# Altium PCB Bottom Board_PCB.PcbDoc (part 1 of 3) (continued)
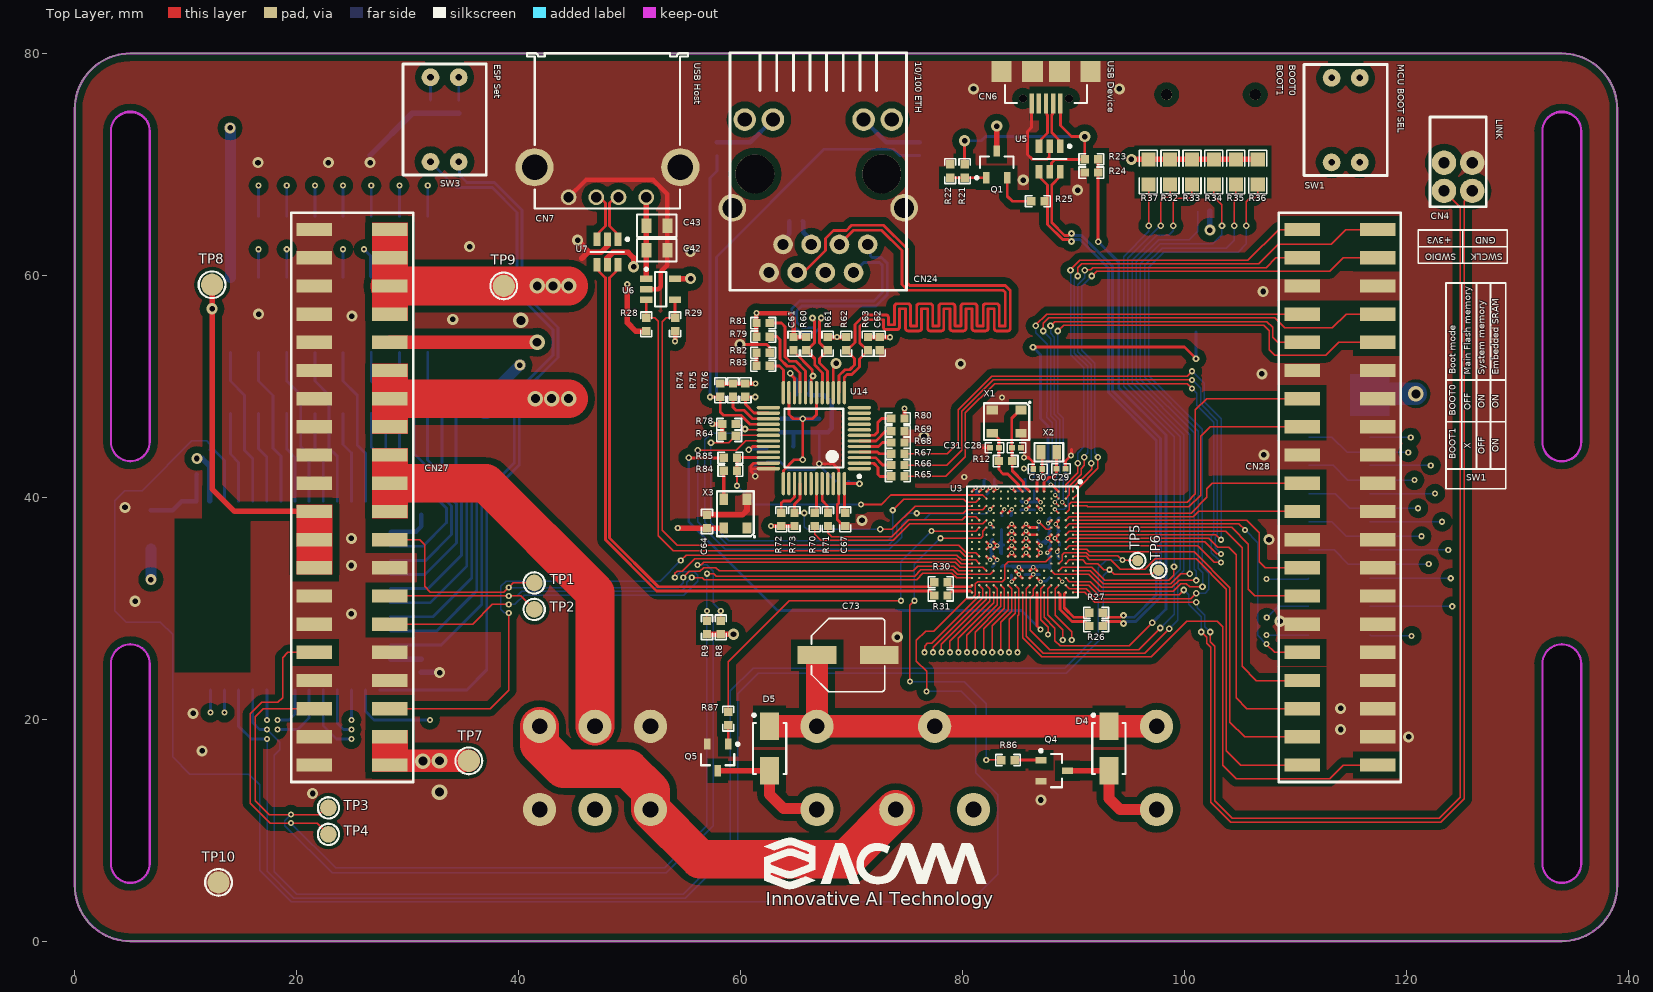
[diagram p0: Top Layer view]
## Components (designator, comment, footprint, x,y, rotation, side; value= is the part's Value field where it differs from the comment) (continued)
TP10 "Test Point" PIN_2mm 12.954,5.297 r90 top
U3 "STM32F417IGH6" STM-UFBGA176+25 85.406,35.981 r270 top
U5 "USBLC6-2SC6Y" SOT23-6L 87.847,70.489 r270 top
U6 "STMPS2141STR" SOT-23-5pin 52.8,58.75 r0 top
U7 "USBLC6-2SC6Y" SOT23-6L 48.006,62.103 r270 top
U13 "ESP32-WROOM-32U" ESP32S_W 19.71,31.146 r270 bottom
U14 "DP83848CVV" TQFP48_M 66.604,45.333 r180 top
X1 "25Mhz" OSC_3.2X2.5 83.978,46.825 r180 top
X2 "32.768Khz" XTAL_2.0x1.2 87.788,44.057 r180 top
X3 "50Mhz" OSC_3.2X2.5 59.53,38.524 r90 top

## Footprints (in the part's own frame and the unit in brackets; to place one, negate y for a bottom-side part, rotate by r counter-clockwise, add the part's x,y. Pads: shape width x height; smd on the part's side, far side on the other; paste and mask are expansions set on the pad)
0402_C [mm] "Manual Assembly"
  rect 0.75x0.75 smd mask+0.1: 1(-0.6,0) 2(0.6,0)
  silkscreen extent -1.12,-0.5 1.12,0.5, body extent -0.52,-0.27 0.53,0.28, height 0.55
0402_C_AUTO [mil] "Machine Assembly"
  rect 20x20 smd: 1(-16,0) 2(16,0)
  silkscreen extent -34,-18 34,18, body extent -20,-10 20,10, height 22
0402_R [mm] "Manual Assembly"
  rect 0.75x0.75 smd mask+0.1: 1(-0.6,0) 2(0.6,0)
  silkscreen extent -1.12,-0.5 1.12,0.5, body extent -0.53,-0.28 0.52,0.27, height 0.4
0402_R_AUTO [mil] "Machine Assembly"
  rect 20x20 smd: 1(-16,0) 2(16,0)
  silkscreen extent -34,-18 34,18, body extent -20,-10 20,10, height 16
0805_C_AUTO [mm] "Machine Assembly"
  rect 0.9x1.3 smd: 1(-0.95,0) 2(0.95,0)
  silkscreen extent -1.78,-1.02 1.78,1.02, body extent -1,-0.6 1,0.6, height 1.5
0805_R [mil] "Manual Assembly"
  rect 50x50 smd: 1(-45,0) 2(45,0)
  silkscreen extent -77,-32 77,32, body extent -41,-27 41,27, height 24
CR2032_BATT_HOLDER [mm] "CR2032 Battery Holder SMD"
  rect 4.5x2.4 smd: 1(-8.35,0)
  rect 3.1x3.4 smd: 2(12.85,0)
  silkscreen extent -11.15,-7.85 12.95,7.85
DIP-SW-2-PIANO [mm] "Piano Style Dip Switch"
  round 1.6 hole 0.6: 1(-1.27,-3.81) 2(1.27,-3.81) 3(1.27,3.81) 4(-1.27,3.81)
  silkscreen extent -3.75,-5 3.75,5, body extent -3.58,-6.01 3.63,4.79, height 7.95
ESP32S_W [mm] "ESP32S Module wide for hand soldering"
  rect 2x0.9 smd: 1(-8.5,8.755) 2(-8.5,7.485) 3(-8.5,6.215) 4(-8.5,4.945) 5(-8.5,3.675) 6(-8.5,2.405) 7(-8.5,1.135) 8(-8.5,-0.135) 9(-8.5,-1.405) 10(-8.5,-2.675) 11(-8.5,-3.945) 12(-8.5,-5.215) 13(-8.5,-6.485) 14(-8.5,-7.755) 25(8.5,-7.755) 26(8.5,-6.485) 27(8.5,-5.215) 28(8.5,-3.945) 29(8.5,-2.675) 30(8.5,-1.405) 31(8.5,-0.135) 32(8.5,1.135) 33(8.5,2.405) 34(8.5,3.675) 35(8.5,4.945) 36(8.5,6.215) 37(8.5,7.485) 38(8.5,8.755)
  rect 0.9x2 smd: 15(-5.71,-8.755) 16(-4.44,-8.755) 17(-3.17,-8.755) 18(-1.9,-8.755) 19(-0.63,-8.755) 20(0.64,-8.755) 21(1.91,-8.755) 22(3.18,-8.755) 23(4.45,-8.755) 24(5.72,-8.755)
  rect 5x5 smd: 39(-1,1.255)
  silkscreen extent -9,-9.25 9,9.95, body extent -9.01,-9.27 9.06,9.97, height 3.4
HEADER_2X2_RIGHT [mm]
  round 2.2 hole 1.02: 1(-1.27,-1.27) 2(1.27,-1.27) 3(1.27,1.27) 4(-1.27,1.27)
  silkscreen extent -2.54,-2.69 2.54,5.39, body extent -2.54,-1.58 2.54,11.18, height 5.08
HEADER_FEMALE_SMD_2x20 [mm] "Pitch 2.54mm"
  rect 1.2x3.2 smd: 1(-24.13,-3.4) 2(-21.59,-3.4) 3(-19.05,-3.4) 4(-16.51,-3.4) 5(-13.97,-3.4) 6(-11.43,-3.4) 7(-8.89,-3.4) 8(-6.35,-3.4) 9(-3.81,-3.4) 10(-1.27,-3.4) 11(1.27,-3.4) 12(3.81,-3.4) 13(6.35,-3.4) 14(8.89,-3.4) 15(11.43,-3.4) 16(13.97,-3.4) 17(16.51,-3.4) 18(19.05,-3.4) 19(21.59,-3.4) 20(24.13,-3.4) 21(24.13,3.4) 22(21.59,3.4) 23(19.05,3.4) 24(16.51,3.4) 25(13.97,3.4) 26(11.43,3.4) 27(8.89,3.4) 28(6.35,3.4) 29(3.81,3.4) 30(1.27,3.4) 31(-1.27,3.4) 32(-3.81,3.4) 33(-6.35,3.4) 34(-8.89,3.4) 35(-11.43,3.4) 36(-13.97,3.4) 37(-16.51,3.4) 38(-19.05,3.4) 39(-21.59,3.4) 40(-24.13,3.4)
  silkscreen extent -25.65,-5.5 25.65,5.5, body extent -25.65,-3.94 25.65,3.94, height 9.81
HEADER_SMD_2x10 [mm] "Pitch 2.54mm"
  rect 1.2x3.5 smd: 1(-11.43,-2.75) 2(-8.89,-2.75) 3(-6.35,-2.75) 4(-3.81,-2.75) 5(-1.27,-2.75) 6(1.27,-2.75) 7(3.81,-2.75) 8(6.35,-2.75) 9(8.89,-2.75) 10(11.43,-2.75) 11(11.43,2.75) 12(8.89,2.75) 13(6.35,2.75) 14(3.81,2.75) 15(1.27,2.75) 16(-1.27,2.75) 17(-3.81,2.75) 18(-6.35,2.75) 19(-8.89,2.75) 20(-11.43,2.75)
  silkscreen extent -12.7,-5 12.7,5, body extent -12.7,-3.75 12.7,3.75, height 9.7
HR911105A [mm] "Single Port RJ45 Connector with Magnetics Module and LED"
  round 1.778 hole 1.016: 1(4.45,-4.355) 2(3.18,-6.895) 3(1.91,-4.355) 4(0.64,-6.895) 5(-0.63,-4.355) 6(-1.9,-6.895) 7(-3.17,-4.355) 8(-4.44,-6.895)
  round 2.032 hole 1.27: 9(6.625,6.895) 10(4.085,6.895) 11(-4.085,6.895) 12(-6.625,6.895)
  round 2.5 hole 1.8: 13(7.74,-1.055) 14(-7.74,-1.055)
  round 3.5 hole 3.5: ""(-5.71,1.995) ""(5.72,1.995)
  silkscreen extent -7.94,-8.48 7.94,12.92, body extent -7.94,-8.48 7.94,12.92, height 13.5
MICRO_SD_TFP-09-2-12B [mm] "Micro SD Connector - TFP-09-2-12B"
  rect 0.7x1.6 smd: 1(2.25,0) 2(1.15,0) 3(0.05,0) 4(-1.05,0) 5(-2.15,0) 6(-3.25,0) 7(-4.35,0) 8(-5.45,0) 9(-6.55,0)
  rect 1.6x1.4 smd: 10(6.85,-0.5)
  rect 1.2x1.4 smd: 11(-7.75,-0.5)
  rect 1.2x2.2 smd: 12(7.75,-10.1) 13(-7.75,-10.1)
  round 1 hole 1: ""(-4.93,-10.5) ""(3.05,-10.5)
  silkscreen extent -7.35,-14.2 7.35,0.31
OSC_3.2X2.5 [mm]
  rect 1x0.8 smd: 1(-1.3,-1.05) 2(1.3,-1.05) 3(1.3,1.05) 4(-1.3,1.05)
  silkscreen extent -2.11,-1.75 2.03,1.65, body extent -1.6,-1.25 1.6,1.25, height 0.55
PIN_1.5mm [mm] "single pin"
  round 1.5 smd: 1(0,0)
  silkscreen extent -0.95,-0.96 0.96,0.96
PIN_1mm [mm] "single pin"
  round 1 smd: 1(0,0)
  silkscreen extent -0.71,-0.71 0.71,0.71
PIN_2mm [mm] "single pin"
  round 2 smd: 1(0,0)
  silkscreen extent -1.2,-1.2 1.2,1.2
RELAY_DPDT [mm] "Omron DPDT G2R-2-DC12 Relay"
  round 3 hole 1.4: 1(-12.5,3.75) 2(2.5,3.75) 3(7.5,3.75) 4(12.5,3.75) 5(12.5,-3.75) 6(7.5,-3.75) 7(2.5,-3.75) 8(-12.5,-3.75)
  silkscreen extent -14.6,-6.45 14.6,6.45, body extent -14.76,-6.35 14.2,6.38, height 24.96
RELAY_SPDT [mm] "Omron SPDT G2R-1-DC12 Relay"
  round 3 hole 1.4: 1(-12.5,3.75) 2(4,-3.75) 3(11,-3.75) 4(7.5,3.75) 5(-12.5,-3.75)
  silkscreen extent -14.6,-6.45 13.1,6.45, body extent -14.7,-6.6 14.3,6.4, height 25.5
SMA [mm] "Molded Diode, 2-Leads, Body 4/30x2/61mm, IPC Medium Density"
  rect 2.5x1.7 smd: 1(-2,0) 2(2,0)
  silkscreen extent -2.3,-1.5 3.12,1.52, body extent -2.69,-1.42 2.59,1.5, height 2.41
SOT23 [mm] "SOT23, 3-Leads, Body 2/90x2/45mm, Pitch 0/95mm, IPC Medium Density"
  rect 1x0.6 smd: 1(-1.2,0.95) 2(-1.2,-0.95) 3(1.2,0)
  silkscreen extent -1.32,-1.5 0.7,1.92, body extent -1.2,-1.5 1.2,1.5, height 1.1
SOT23-6L [mm] "SOT23, 6-Leads, Body 3.0x3.0mm (max), Pitch 0.95mm"
  rect 1.2x0.6 smd: 1(-1.15,0.95) 2(-1.15,0) 3(-1.15,-0.95) 4(1.15,-0.95) 5(1.15,0) 6(1.15,0.95)
  silkscreen extent -1.27,-1.5 0,1.93, body extent -1.42,-1.5 1.42,1.5, height 1.2
SOT-23-5pin [mm] "SOT23, 5-Leads, Body 2/90x2/80mm, Pitch 0/95mm, IPC Medium Density"
  rect 1.1x0.6 smd: 1(-1.3,0.95) 2(-1.3,0) 3(-1.3,-0.95) 4(1.3,-0.95) 5(1.3,0.95)
  silkscreen extent -1.42,-1.55 0.5,1.92, body extent -1.39,-1.45 1.41,1.45, height 1.2
STM-UFBGA176+25 [mm] "BGA, 201-Balls, Body 10x10mm, Pitch 0.65mm"
  round 0.2 smd: A1(-4.55,4.55) A2(-3.9,4.55) A3(-3.25,4.55) A4(-2.6,4.55) A5(-1.95,4.55) A6(-1.3,4.55) A7(-0.65,4.55) A8(0,4.55) A9(0.65,4.55) A10(1.3,4.55) A11(1.95,4.55) A12(2.6,4.55) A13(3.25,4.55) A14(3.9,4.55) A15(4.55,4.55) B1(-4.55,3.9) B2(-3.9,3.9) B3(-3.25,3.9) B4(-2.6,3.9) B5(-1.95,3.9) B6(-1.3,3.9) B7(-0.65,3.9) B8(0,3.9) B9(0.65,3.9) B10(1.3,3.9) B11(1.95,3.9) B12(2.6,3.9) B13(3.25,3.9) B14(3.9,3.9) B15(4.55,3.9) C1(-4.55,3.25) C2(-3.9,3.25) C3(-3.25,3.25) C4(-2.6,3.25) C5(-1.95,3.25) C6(-1.3,3.25) C7(-0.65,3.25) C8(0,3.25) C9(0.65,3.25) C10(1.3,3.25) C11(1.95,3.25) C12(2.6,3.25) C13(3.25,3.25) C14(3.9,3.25) C15(4.55,3.25) D1(-4.55,2.6) D2(-3.9,2.6) D3(-3.25,2.6) D4(-2.6,2.6) D5(-1.95,2.6) D6(-1.3,2.6) D7(-0.65,2.6) D8(0,2.6) D9(0.65,2.6) D10(1.3,2.6) D11(1.95,2.6) D12(2.6,2.6) D13(3.25,2.6) D14(3.9,2.6) D15(4.55,2.6) E1(-4.55,1.95) E2(-3.9,1.95) E3(-3.25,1.95) E4(-2.6,1.95) E12(2.6,1.95) E13(3.25,1.95) E14(3.9,1.95) E15(4.55,1.95) F1(-4.55,1.3) F2(-3.9,1.3) F3(-3.25,1.3) F4(-2.6,1.3) F6(-1.3,1.3) F7(-0.65,1.3) F8(0,1.3) F9(0.65,1.3) F10(1.3,1.3) F12(2.6,1.3) F13(3.25,1.3) F14(3.9,1.3) F15(4.55,1.3) G1(-4.55,0.65) G2(-3.9,0.65) G3(-3.25,0.65) G4(-2.6,0.65) G6(-1.3,0.65) G7(-0.65,0.65) G8(0,0.65) G9(0.65,0.65) G10(1.3,0.65) G12(2.6,0.65) G13(3.25,0.65) G14(3.9,0.65) G15(4.55,0.65) H1(-4.55,0) H2(-3.9,0) H3(-3.25,0) H4(-2.6,0) H6(-1.3,0) H7(-0.65,0) H8(0,0) H9(0.65,0) H10(1.3,0) H12(2.6,0) H13(3.25,0) H14(3.9,0) H15(4.55,0) J1(-4.55,-0.65) J2(-3.9,-0.65) J3(-3.25,-0.65) J4(-2.6,-0.65) J6(-1.3,-0.65) J7(-0.65,-0.65) J8(0,-0.65) J9(0.65,-0.65) J10(1.3,-0.65) J12(2.6,-0.65) J13(3.25,-0.65) J14(3.9,-0.65) J15(4.55,-0.65) K1(-4.55,-1.3) K2(-3.9,-1.3) K3(-3.25,-1.3) K4(-2.6,-1.3) K6(-1.3,-1.3) K7(-0.65,-1.3) K8(0,-1.3) K9(0.65,-1.3) K10(1.3,-1.3) K12(2.6,-1.3) K13(3.25,-1.3) K14(3.9,-1.3) K15(4.55,-1.3) L1(-4.55,-1.95) L2(-3.9,-1.95) L3(-3.25,-1.95) L4(-2.6,-1.95) L12(2.6,-1.95) L13(3.25,-1.95) L14(3.9,-1.95) L15(4.55,-1.95) M1(-4.55,-2.6) M2(-3.9,-2.6) M3(-3.25,-2.6) M4(-2.6,-2.6) M5(-1.95,-2.6) M6(-1.3,-2.6) M7(-0.65,-2.6) M8(0,-2.6) M9(0.65,-2.6) M10(1.3,-2.6) M11(1.95,-2.6) M12(2.6,-2.6) M13(3.25,-2.6) M14(3.9,-2.6) M15(4.55,-2.6) N1(-4.55,-3.25) N2(-3.9,-3.25) N3(-3.25,-3.25) N4(-2.6,-3.25) N5(-1.95,-3.25) N6(-1.3,-3.25) N7(-0.65,-3.25) N8(0,-3.25) N9(0.65,-3.25) N10(1.3,-3.25) N11(1.95,-3.25) N12(2.6,-3.25) N13(3.25,-3.25) N14(3.9,-3.25) N15(4.55,-3.25) P1(-4.55,-3.9) P2(-3.9,-3.9) P3(-3.25,-3.9) P4(-2.6,-3.9) P5(-1.95,-3.9) P6(-1.3,-3.9) P7(-0.65,-3.9) P8(0,-3.9) P9(0.65,-3.9) P10(1.3,-3.9) P11(1.95,-3.9) P12(2.6,-3.9) P13(3.25,-3.9) P14(3.9,-3.9) P15(4.55,-3.9) R1(-4.55,-4.55) R2(-3.9,-4.55) R3(-3.25,-4.55) R4(-2.6,-4.55) R5(-1.95,-4.55) R6(-1.3,-4.55) R7(-0.65,-4.55) R8(0,-4.55) R9(0.65,-4.55) R10(1.3,-4.55) R11(1.95,-4.55) R12(2.6,-4.55) R13(3.25,-4.55) R14(3.9,-4.55) R15(4.55,-4.55)
  silkscreen extent -5.55,-5 5,5.33, body extent -5,-5 5,5, height 0.6
TANT_B [mm]
  rect 2.1x3 smd mask+0.15: 1(-1.75,0) 2(1.75,0)
  Top Layer pour cut-out: -1.143,1.905 1.143,1.905 1.143,-1.905 -1.143,-1.905
  silkscreen extent -3.55,-1.86 3.05,1.78, body extent -1.85,-1.5 1.85,1.5, height 2.1
TQFP48_M [mm] "48-Pin Thin Quad Flat Pack 0.5 mm Pitch, IPC Low Density"
  oval 2.1x0.3 smd mask+0.07: 1(-4.1,2.75) 2(-4.1,2.25) 3(-4.1,1.75) 4(-4.1,1.25) 5(-4.1,0.75) 6(-4.1,0.25) 7(-4.1,-0.25) 8(-4.1,-0.75) 9(-4.1,-1.25) 10(-4.1,-1.75) 11(-4.1,-2.25) 12(-4.1,-2.75) 25(4.1,-2.75) 26(4.1,-2.25) 27(4.1,-1.75) 28(4.1,-1.25) 29(4.1,-0.75) 30(4.1,-0.25) 31(4.1,0.25) 32(4.1,0.75) 33(4.1,1.25) 34(4.1,1.75) 35(4.1,2.25) 36(4.1,2.75)
  oval 0.3x2.1 smd mask+0.07: 13(-2.75,-4.1) 14(-2.25,-4.1) 15(-1.75,-4.1) 16(-1.25,-4.1) 17(-0.75,-4.1) 18(-0.25,-4.1) 19(0.25,-4.1) 20(0.75,-4.1) 21(1.25,-4.1) 22(1.75,-4.1) 23(2.25,-4.1) 24(2.75,-4.1) 37(2.75,4.1) 38(2.25,4.1) 39(1.75,4.1) 40(1.25,4.1) 41(0.75,4.1) 42(0.25,4.1) 43(-0.25,4.1) 44(-0.75,4.1) 45(-1.25,4.1) 46(-1.75,4.1) 47(-2.25,4.1) 48(-2.75,4.1)
  silkscreen extent -4.23,-2.65 2.65,3.57, body extent -3.5,-3.5 3.5,3.5, height 1.6
USB_Micro_B [mm] "Micro USB 2.0 SMT Type B Horizontal 5 Contacts"
  rect 0.4x1.8 smd: 1(-1.3,2.9) 2(-0.65,2.9) 3(0,2.9) 4(0.65,2.9) 5(1.3,2.9)
  round 0.7 hole 0.7 unplated: MH1(-2.075,2.45) MH2(2.075,2.45)
  rect 1.8x1.9 smd: Shell(-4,0) Shell(4,0)
  rect 1.9x1.9 smd: Shell(-1.2,0) Shell(1.2,0)
  silkscreen extent -3.7,1.25 3.7,2.85, body extent -4,-2.73 4,3.17, height 2.69
USB_Type_A [mm] "USB 2.0 Type A Horizontal"
  round 1.42 hole 0.92: 1(-3.5,5.99) 2(-1,5.99) 3(1,5.99) 4(3.5,5.99)
  round 3.45 hole 2.3: S1(-6.57,3.28) S2(6.57,3.28)
  silkscreen extent -7.25,-7 7.25,7, body extent -8,-7 8,7, height 7.63
WCAP-ASLI_6.3x5.5 [mm] "Aluminium Electrolytic V-Chip SMT Capacitors, ��6.3x5.5mm"
  rect 3.5x1.6 smd: 1(2.8,0) 2(-2.8,0)
  silkscreen extent -3.3,-3.3 3.3,3.3, body extent -3.65,-3.3 3.65,3.3, height 5.5
XTAL_2.0x1.2 [mm] "Crsytal 2.0 x 1.2 mm"
  rect 0.8x1.3 smd: 1(-0.7,0) 2(0.7,0)
  silkscreen extent -1.3,-0.84 1.3,0.84

## Part data
C9 C10 C11 C12 C13 C14 C15 C16 C17 C18 C19 C20 C21 C24 C25 C26 C27 C28 C29 C30 C31 C42 C43 C60 C61 C62 C63 C64 C65 C66 C67 C68 C69 C70 C71 C72: library part "Cap SMD", "Non-Pol SMD Capacitor", RATED_VOLTAGE=16V
C59: library part "Cap Tant", "Tantalum Polarized Capacitor", RATED_VOLTAGE=6.3V
C73: library part "Cap Aluminium Electrolytic", "Aluminium Electrolytic Capacitor", RATED_VOLTAGE=16V
CN2: "CR2032 Battery Holder SMD"
CN3 CN22 CN23: library part "Pin header Male 2x10 smd", "SMD Male Pin Header 2.54mm Pitch, 2x10"
CN4: library part "Pin header Male 2x2", "Male Pin Header 2.54mm Pitch, 2x2"
CN6: library part "USB Micro B #1", "Micro USB 2.0 Type B Receptacle"
CN7: library part "USB Type A", "USB 2.0 Type A, Receptacle, Horizontal, THT"
CN8: library part "MicroSD_Connector #2", "Javanelec 1.10mm Pitch microSD Memory Card Connector. Push-Push", Manufacturer Part Num=TFP-09-2-12B
CN24: library part "RJ45 Connector #1", "RJ45 Socket with Magnet and LED", Manufacturer Part Num=HR911105A
CN27 CN28: library part "Pin header Female 2x20 smd", "SMD Female Pin Header 2.54mm Pitch, 2x20", System=Connector
D4 D5: library part Diode, "Diode", Manufacturer Part Num=1N4007
K2: library part Relay-SPDT, "Omron Single-Pole Dual-Throw Relay", Manufacturer Part Num=G2R-1-DC12
K3: library part Relay-DPDT, "Omron Dual-Pole Dual-Throw Relay", Manufacturer Part Num=G2R-2-DC12
Q1 Q4 Q5: library part "Transistor NPN", "NPN General Purpose Transistor"
R7 R8 R9 R10 R11 R12 R21 R22 R23 R24 R26 R27 R28 R29 R30 R31 R32 R33 R34 R35 R36 R37 R78 R82 R84 R85 R86 R87: library part "Res SMD", "SMD Resistor", Tolerance=5%
R25 R54 R55 R56 R57 R58 R59 R60 R61 R62 R63 R64 R65 R66 R67 R68 R69 R70 R71 R72 R73 R74 R75 R76 R77 R79 R80 R81: library part "Res SMD", "SMD Resistor", Tolerance=1%
R83: library part "Res SMD", "SMD Resistor", Manufacturer Part Num=RC0402FR-074K87L, Tolerance=1%
SW1 SW3: library part "DIP SW-2", "DIP Switch, 2 Position, SPST", Manufacturer Part Num=BPA02B
TP1 TP2 TP3 TP4 TP5 TP6 TP7 TP8 TP9 TP10: "Test Point Footprint"
U3: "ARM Cortex-M4 32-bit MCU+FPU, 210 DMIPS, 1024 kB Flash, 192 kB Internal RAM, 140 I/Os, 176-pin BGA, -40 to 85 degC, Tray", I/Os (High Current)=140, Manufacturer=STMicroelectronics, Operating Frequency(F) (Processor speed) (MHz)=168, Supplier Part Number 1=497-11913-ND, Supply Voltage(Vcc) max (V)=3.6, Supply Voltage(Vcc) min (V)=1.8, ComponentLink1Description="Manufacturer URL", ComponentLink1URL=http://www.st.com/web/en/home.html, ComponentLink2Description=Datasheet, ComponentLink2URL=http://www.st.com/st-web-ui/static/active/en/resource/technical/document/datasheet/DM00035129.pdf, ComponentLink3Description="Package Specification", ComponentLink3URL=http://www.st.com/st-web-ui/static/active/en/resource/technical/document/datasheet/DM00037051.pdf, Core="ARM Cortex-M4", D/A Converter=2x12-bit, DatasheetVersion="Rev. 4", FLASH Size (Prog) (kB)=1024, Internal RAM Size (kB)=192, Mounting Technology="Surface Mount", PackageDescription="176+25-Ball Ultra Thin Fine Pitch Ball Grid Array, 10 x 10 x 0.6 mm Body, 0.65 mm Pitch", PackageReference=UFBGA176+25, PackageVersion="Rev. 4, 06/2013", Packing=Tray, PartNumber=STM32F417IGH6, Supplier 1=Digi-Key, Supplier 2=Farnell, Supplier 3=Newark, Supplier 4=Mouser, Supplier Part Number 2=2064371, Supplier Part Number 3=73T2336, Supplier Part Number 4=511-STM32F417IGH6
U5 U7: library part USBLC6-2, "Very low capacitance ESD protection"
U6: library part STMPS2141
U13: "powerful, generic Wi-Fi+BT+BLE MCU module"
U14: library part DP83848, "10/100 Mbps Ethernet PHY"
X1: library part "XTAL 4pin", "4-pin SMD Crystal", Manufacturer Part Num=ECS-250-18-33-JTN-TR
X2: library part XTAL, "2-pin SMD Crystal", Manufacturer Part Num=ECS-.327-12.5-12R-TR
X3: library part "XTAL OSC", "Crystal Oscillator", Manufacturer Part Num=ECS-3225S33-500-FN-TR

## Free pads (board coordinates)
  round 5.5 smd far side mask+0: 0(48.38,55.5) 0(113.944,15.1) 0(113.944,56.9)

## Via types
v1: diameter 0.559, hole 0.254, Top Layer to Bottom Layer, tented both sides, 104 vias
v2: diameter 0.6, hole 0.3, Top Layer to Bottom Layer, tented both sides, 55 vias
v3: diameter 1, hole 0.5, Top Layer to Bottom Layer, tented both sides, 50 vias
v4: diameter 0.406, hole 0.203, Top Layer to Bottom Layer, tented both sides, 48 vias
v5: diameter 1.4, hole 0.8, Top Layer to Bottom Layer, tented both sides, 12 vias

## Nets (pads, with @x,y where several pads share a name; then routed paths per layer and width w, separated by ;. In a path a pad name is that pad's centre, name@x,y a point inside that pad or via, vN(x,y) a via of type N, cw(c..) or ccw(c..) an arc to the next point about the centre after c; other vN are vias at no path point)
+3V3: C9.2 C10.2 C11.2 C12.2 C13.2 C14.2 C15.2 C16.2 C17.2 C18.2 C19.2 C20.2 C21.2 C24.2 C59.1 C60.1 C61.2 C62.2 C63.2 C64.1 C65.1 C66.1 C67.1 C68.1 CN3.11 CN3.12 CN4.4 CN8.4 CN22.11 CN23.1 CN23.20 CN24.4 CN24.5 CN24.9 CN24.12 CN27.21 CN27.22 Q1.3 R8.1 R9.1 R11.2 R28.1 R29.1 R32.2 R33.2 R34.2 R35.2 R36.2 R37.1 R58.1 R60.2 R61.2 R62.2 R63.2 R64.2 R72.1 R73.1 R74.2 R75.2 R76.2 R78.1 R79.2 R80.1 R81.2 SW1.1 SW1.2 TP7.1 U3.C5 U3.C6 U3.C7 U3.C8 U3.C9 U3.F3 U3.G3 U3.G13 U3.H13 U3.J12 U3.J13 U3.K4 U3.N8 U3.N9 U3.N10 U3.P1 U3.R1 U13.2 U14.22 U14.32 U14.48 X3.4 | length 711.5
  Top Layer w0.254: v2(60.731,44.298) 60.825,44.298 61.101,44.574 62.496,44.574 U14.32@62.504,44.583 ; v2(64.491,51.181) 64.491,51.087 64.846,50.732 64.846,49.441 U14.22@64.854,49.433 ; C67.1@69.424,38.617 69.363,38.678 69.363,41.224 U14.48@69.354,41.233 v2(70.714,41.233) ; U3.R1@80.856,40.531 v4(81.181,40.856) ; U3.P1@81.506,40.531 v4(81.831,40.856) ; U3.N10@82.156,34.681 v4(82.481,34.356) ; U3.N9@82.156,35.331 v4(82.481,35.656) U3.N8@82.156,35.981 ; U3.K4@84.106,38.581 v4(84.431,38.906) ; v4(84.431,32.406) U3.J13@84.756,32.731 ; U3.J12@84.756,33.381 v4(85.081,33.056) ; v4@85.066,33.041 85.376,32.731 U3.H13@85.406,32.731 ; v4(85.731,38.906) U3.G3@86.056,39.231 ; U3.G13@86.056,32.731 v4(86.381,33.056) ; U3.F3@86.706,39.231 v4(87.031,38.906) ; v4(88.529,35.104) 88.529,35.145 88.656,35.272 U3.C9@88.656,35.331 ; U3.C8@88.656,35.981 v4(88.331,36.306) U3.C7@88.656,36.631 ; U3.C6@88.656,37.281 88.392,37.545 v4(88.392,37.567) 88.392,37.621 88.656,37.885 U3.C5@88.656,37.931
  Top Layer w0.4: v1@54.1,54.076 R29.1@54.1,54.975 ; v1@57.46,46.603 R78.1@58.359,46.603 R64.2@58.359,45.536 ; R74.2@58.172,50.251 R75.2@59.315,50.251 R76.2@60.432,50.251 v1@61.332,50.251 ; R79.2@61.432,54.483 61.43,54.486 61.43,55.699 R81.2@61.427,55.702 61.427,56.602 v1(61.432,56.606) 64.338,56.606 64.776,56.169 C61.2@64.776,54.442 R60.2@65.919,54.442 ; v1@62.759,37.417 R72.1@63.658,37.417 R73.1@64.852,37.417 ; R61.2@67.843,54.442 v1(68.684,54.442) R62.2@69.525,54.442 ; R63.2@71.476,54.442 C62.2@72.548,54.442 72.553,54.437 73.452,54.437 v1(73.457,54.432) ; R80.1@74.774,47.111 v1@74.774,48.01
  Top Layer w0.5: v1(49.784,59.207) 49.784,55.737 50.546,54.975 R28.1@51.5,54.975 ; v1(54.331,37.224) 54.332,37.222 56.971,37.222 C64.1@56.972,37.221 56.974,37.222 58.479,37.222 X3.4@58.48,37.224 ; R9.1@56.972,27.67 56.977,27.665 59.355,27.665 v3(59.36,27.661) ; Q1.3@83.083,71.202 v3(83.083,73.457) ; v3(95.225,70.46) R37.1@96.749,70.46 R32.2@98.699,70.46 R33.2@100.675,70.46 R34.2@102.652,70.46 R35.2@104.628,70.46 R36.2@106.604,70.46
  Top Layer w2: CN27.21@28.786,16.256 v5(32.868,16.256) TP7.1@35.509,16.256
  VCC w0.3: v4(81.181,40.856) 80.721,40.396 80.721,37.465 v4@82.481,35.705 ; v4(82.481,35.656) v4(82.481,34.356) 82.481,32.923 82.998,32.406 v4(84.431,32.406) v4(85.081,33.056) v4(86.381,33.056) 87.579,33.056 88.529,34.005 v4(88.529,35.104) 88.529,35.133 88.331,35.331 v4(88.331,36.306) 88.331,37.477 88.392,37.538 v4(88.392,37.567) 88.372,37.587 88.372,37.892 87.358,38.906 v4(87.031,38.906) v4(85.731,38.906) 84.76,38.906 ; v1@85.536,42.585 84.672,42.585 83.795,41.707 83.795,40.361 84.431,39.724 84.431,39.235 ; 84.431,39.235 84.76,38.906 ; 84.431,39.235 v4(84.431,38.906) 84.76,38.906
  VCC w0.5: v3(40.107,51.918) 38.735,53.289 38.735,61.341 39.497,62.103 46.888,62.103 v1(49.784,59.207) 54.084,54.907 ; v3(59.36,27.661) 55.27,27.661 53.238,29.693 53.238,36.131 v1(54.331,37.224) 54.529,37.422 ; v2(60.731,44.298) 60.712,44.278 58.903,44.278 ; CN24.5@66.37,62.791 66.481,62.68 66.481,61.41 CN24.4@67.64,60.251 63.995,56.606 ; v2(70.714,41.233) 64.474,41.233 62.754,39.513 62.754,38.022 ; v1@73.452,54.437 72.369,54.437 ; 73.457,53.289 73.457,53.349 ; 73.457,55.524 72.369,54.437 ; 76.233,71.433 76.759,71.958 77.521,71.958 ; 76.886,71.323 77.521,71.958 ; 77.775,69.891 77.521,70.145 77.521,71.958 ; 80.434,45.542 81.831,44.145 ; 81.831,44.204 81.831,45.483 81.89,45.542 ; 83.312,45.542 83.228,45.542 81.831,44.145 ; v1@85.536,42.585 v1(85.547,42.596) ; CN4.4@123.393,70.155 123.393,76.556 122.149,77.8 SW1.1@115.799,77.8 SW1.2@113.259,77.8 104.013,77.8 102.286,76.073 v3(102.286,64.084) 101.371,63.17 96.342,63.17 95.225,64.287 v3(95.225,70.46) 88.875,70.46 85.877,73.457 v3(83.083,73.457) 79.019,73.457 77.521,71.958 ; 54.084,54.907 54.508,54.483 ; 54.084,54.907 54.084,54.082 v1(54.095,54.071) 54.833,54.071 ; 54.508,54.483 54.833,54.158 54.833,54.071 ; 54.508,54.483 55.245,54.483 ; 54.529,37.422 55.131,37.422 ; 54.529,37.422 54.529,38.024 ; 54.529,38.024 54.529,40.407 58.401,44.278 ; 54.529,38.024 55.131,37.422 ; 54.833,54.071 55.245,54.483 ; 55.131,37.422 62.154,37.422 ; 55.245,54.483 57.368,56.606 v1(61.432,56.606) 63.202,56.606 ; 58.401,44.278 58.903,44.278 ; 58.401,44.278 58.401,44.78 ; 58.401,44.78 58.401,45.661 v1(57.455,46.607) 57.455,47.701 59.999,50.246 v1(61.336,50.246) 63.555,50.246 v2(64.491,51.181) 64.491,53.543 65.378,54.43 ; 58.401,44.78 58.903,44.278 ; 62.154,37.422 62.754,38.022 ; 62.154,37.422 v1(62.754,37.422) 62.754,38.022 ; 63.202,56.606 63.995,55.813 ; 63.202,56.606 63.995,56.606 ; 63.995,55.813 65.378,54.43 ; 63.995,55.813 63.995,56.606 ; 65.378,54.43 68.673,54.43 v1(68.684,54.442) 68.689,54.437 72.369,54.437 ; 81.831,41.506 81.831,44.145 ; 81.831,41.506 v4(81.831,40.856) v4(81.181,40.856) 81.831,41.506
  VCC w2: v3(6.858,32.588) 6.858,39.091 9.982,42.215 9.982,43.5 ; v3(11,43.5) 9.982,43.5 ; v5(32.868,16.256) 29.947,16.256 28.143,14.453 28.143,10.16 32.69,5.613 122.276,5.613 128.346,11.684 128.346,43.739 122.758,49.327 v5(120.853,49.327) 109.474,49.327 105.689,45.542 83.312,45.542 ; 73.457,53.289 73.457,49.336 v1(74.778,48.015) 76.801,48.015 79.273,45.542 80.434,45.542 81.89,45.542 83.228,45.542 ; 73.457,53.349 v1(73.457,54.432) 73.457,55.524 77.775,59.842 77.775,69.891 ; 77.521,70.145 76.233,71.433 CN24.9@73.625,74.041 73.619,74.047 73.619,75.962 72.441,77.14 61.645,77.14 60.375,75.87 CN24.12@60.375,74.041 14.751,74.041 v3(13.995,73.285) 9.982,69.272 9.982,43.5
  Bottom Layer w0.254: C60.1@12.167,42.083 C60.1@12.182,42.068 ; U13.2@12.182,39.689 U13.2@12.225,39.646 ; v2(60.731,44.298) 60.777,44.344 62.362,44.344 C66.1@62.408,44.39 ; v2(64.491,51.181) 65.034,50.638 C65.1@65.034,49.2 ; C68.1@69.739,41.453 69.893,41.299 70.647,41.299 v2(70.714,41.233) ; v4(81.181,40.856) 81.181,40.815 81.255,40.741 81.255,40.411 C24.2@81.382,40.284 ; v4@81.928,40.994 81.928,41.514 C9.2@82.042,41.629 ; v4(82.481,35.656) 82.481,35.615 v4@82.581,35.515 ; v4@82.575,35.792 82.575,36.093 C18.2@82.581,36.099 ; v4@82.581,34.497 82.581,34.786 C17.2@82.708,34.913 82.581,35.04 v4@82.581,35.515 ; C18.2@82.702,36.22 C18.2@82.581,36.099 ; C19.2@84.359,38.342 84.402,38.385 84.402,38.877 v4(84.431,38.906) ; C16.2@84.409,33.008 84.42,32.997 84.42,32.417 v4(84.431,32.406) ; C20.2@85.248,38.85 85.276,38.878 85.703,38.878 v4(85.731,38.906) 85.759,38.878 86.464,38.878 C21.2@86.492,38.85 ; v1(85.547,42.596) 85.606,42.537 86.048,42.537 86.447,42.139 R11.2@86.447,41.629 ; C15.2@85.609,33.018 85.628,33.037 86.362,33.037 v4(86.381,33.056) 86.4,33.037 86.911,33.037 C14.2@86.93,33.018 ; v4(88.529,35.104) 88.529,35.063 88.595,34.996 88.595,34.595 C13.2@88.722,34.468 ; C10.2@88.702,38.164 88.575,38.037 88.575,37.791 88.392,37.608 v4(88.392,37.567) 88.392,37.525 88.61,37.307 88.61,37.083 C11.2@88.737,36.956 88.61,36.829 88.61,36.626 88.331,36.347 v4(88.331,36.306) 88.372,36.306 88.737,35.941 C12.2@88.737,35.675 ; v4@82.581,35.515 C18.2@82.581,36.099
  Bottom Layer w0.4: C63.2@65.599,64.872 65.637,64.833 65.637,63.897 66.37,63.164 CN24.5@66.37,62.791
  Bottom Layer w0.5: v3(11,43.5) 11.475,43.5 12.167,42.809 C60.1@12.167,42.083 ; U13.2@12.182,39.689 C60.1@12.182,42.068 ; CN8.4@102.277,65.786 102.281,65.782 102.281,64.089 v3(102.286,64.084)
  Bottom Layer w0.8: C59.1@6.819,35.3 C59.1@6.858,35.339
  Bottom Layer w1: v3(6.858,32.588) C59.1@6.858,35.339 ; v3(13.995,73.285) 14.021,73.26 CN23.1@14.021,65.329 CN23.20@14.021,59.829 ; CN22.11@36.881,47.542 37.127,47.542 38.4,48.815 38.4,50.211 v3(40.107,51.918)
  Bottom Layer w2: 117.424,49.2 117.551,49.327 v5(120.853,49.327)
  other v5: 31.369,16.231
+5V0: CN27.11 CN27.12 CN27.13 TP8.1 U6.5 U7.5 | length 96.5
  Top Layer w0.5: TP8.1@12.37,59.157 v3(12.37,56.998) 12.37,40.767 14.407,38.73 CN27.11@21.6,38.73 ; U7.5@47.955,61.544 48.489,62.078 49.86,62.078 50.368,61.57 v3(50.368,60.782) ; U7.5@48.006,60.953 U7.5@48.056,61.003 ; U6.5@54.1,59.7 54.108,59.708 55.491,59.708 v3(55.499,59.715)
  VCC w0.5: v3(12.37,56.998) 12.37,67.793 16.561,71.984 35.839,71.984 37.668,70.155 37.668,66.421 39.446,64.643 46.507,64.643 v3(50.368,60.782) 51.435,59.715 v3(55.499,59.715)